# KiCad board uaefi.kicad_pcb (continued)
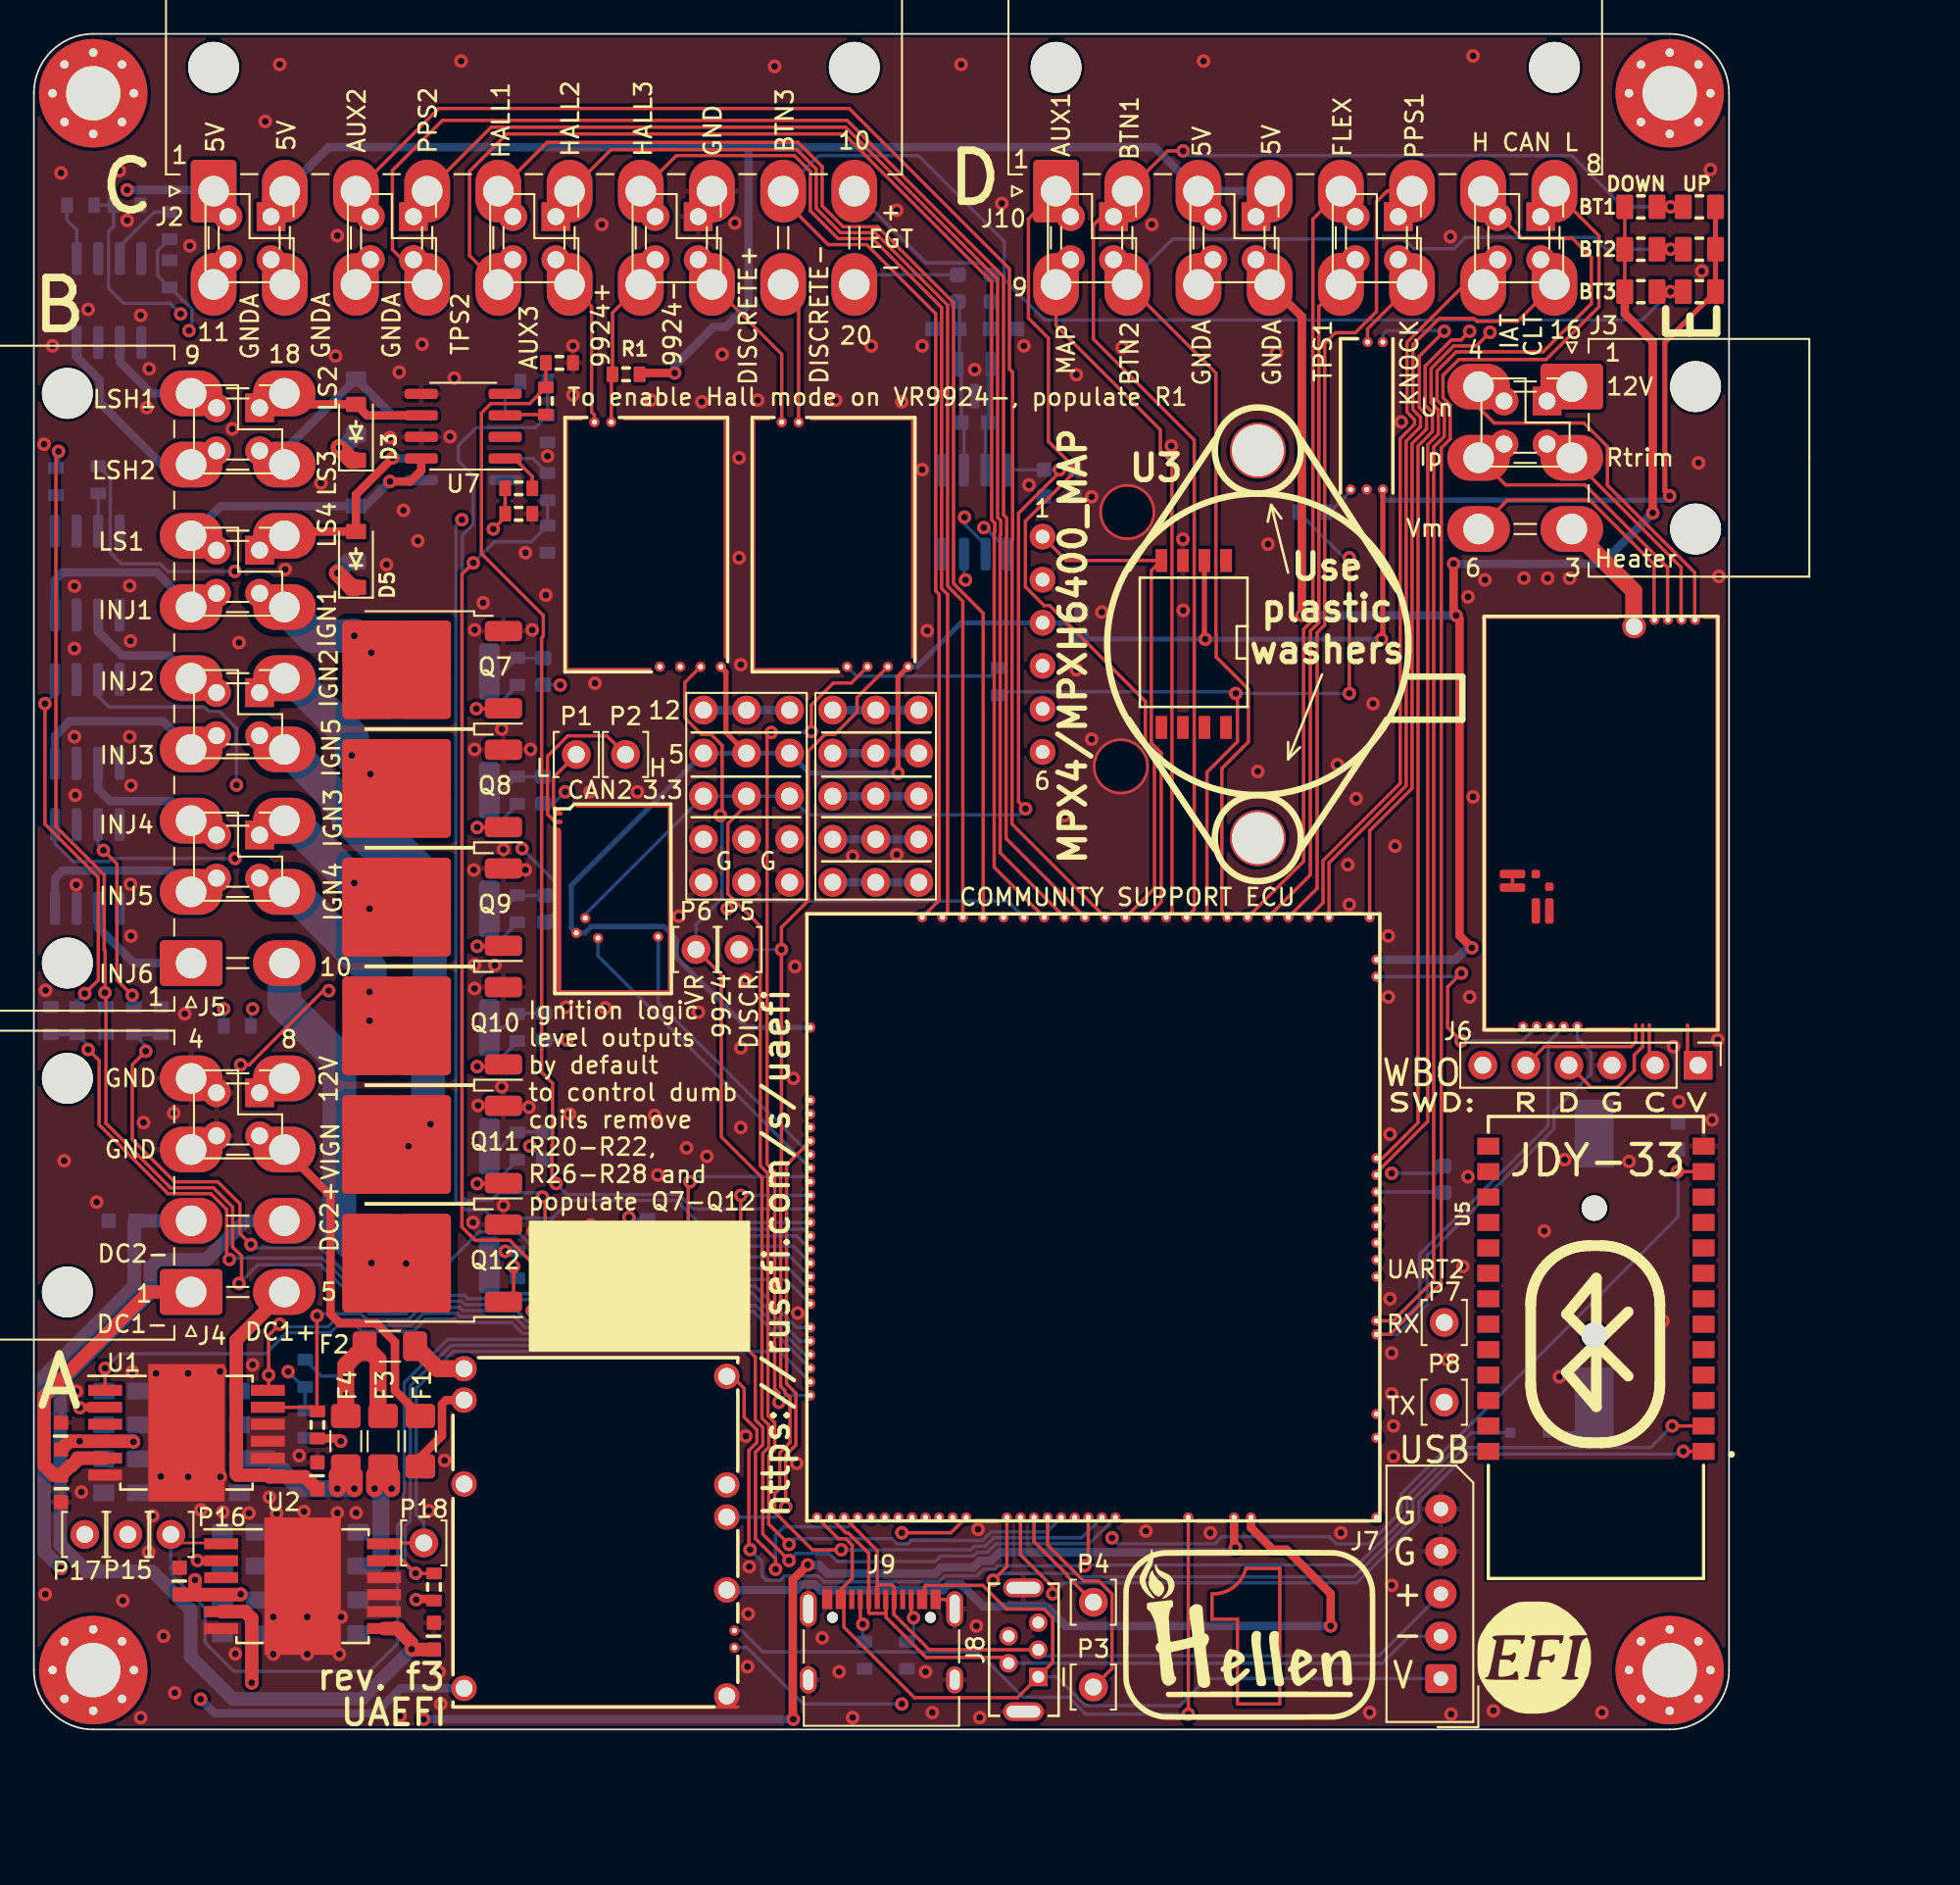
[diagram p0: board, top side]
## Routing (per net, layer and track width the routed paths; a pad name or vN(x,y) marks a point on that pad's centre or on a via; arc(x,y) is an arc through that point) (continued)
/LS_HOT2: length 139.6
  Top w0.2: M6.W3 79.57,33.7 81.65,35.78 81.65,75.7 82.5,76.55 82.5,77.68 82.31,77.87 82.31,77.88 82.07,78.11 82.07,80.41 83.62,81.95 84.18,81.95 v1(84.7,82.47)
  In2.Cu w0.2: v1(84.7,82.47) 83.92,83.25 82.09,83.25 81.94,83.1 9.48,83.1 9.1,83.48 v1(8.66,83.48)
  Bottom w0.2: R4.1 R15.1 4.7,88.65 4.4,88.35 4.4,85.01 5.3,84.11 8.03,84.11 v1(8.66,83.48)
/MISO3: length 104.7
  In2.Cu w0.2: v1(54.96,67.79) 55.95,66.8 68.2,66.8 82.75,52.25 82.75,29.15 81.12,27.53 81.12,13.62 77.56,10.05 70.63,10.05 70.03,10.65 55.83,10.65 54.2,12.28 M6.N11
  Bottom w0.2: v1(54.96,67.79) 54.86,67.89 U4.7
/OUT_DC1+: length 17.1
  Top w0.8: J4.5 11.94,22.97 11.94,15.06 12,15 U1.7 13.9,14.9 15.99,14.9 C13.2
/OUT_DC1-: length 19.6
  Top w0.8: U1.5 2.58,16 2.58,15.9 2.21,15.53 2.14,15.53 C12.2 1.2,14.99 0.6,15.59 0.6,19.64 6.76,25.8 J4.1
/OUT_DC2+: length 58.8
  Top w0.8: U2.7 21.52,5.95 ; 21.37,6 22.28,5.1 v1(22.28,4.73) 22.3,4.71 C26.2
  Bottom w0.8: J4.6 12.47,30 10.17,27.7 7.34,27.7 6.88,27.24 6.88,25.72 1.55,20.39 1.55,10.89 3.12,9.32 6.99,9.32 9.24,7.07 9.24,4.29 11.74,1.8 19.35,1.8 v1(22.28,4.73)
/OUT_DC2-: length 47.6
  Top w0.8: v1(12.85,2.75) 12.85,6.55 12.45,6.95 U2.5
  In2.Cu w0.8: v1(1.6,9.5) 7,9.5 10.88,5.62 10.88,3.37 11.45,2.8 12.8,2.8 v1(12.85,2.75)
  Bottom w0.8: J4.2 C25.2 5.92,29.93 5.92,26.17 0.6,20.85 0.6,10.5 v1(1.6,9.5)
/OUT_IGN1: length 7.8
  Bottom w2: R20.2 19.9,63.44 v1(19.9,63.5) v1(18.9,64.5) 16.47,64.5 J5.15
/OUT_IGN2: length 9.5
  Bottom w2: R21.2 20.8,55.4 v1(19.85,56.35) v1(18.75,57.45) 18.75,58.53 15.28,62 J5.14
/OUT_IGN3: length 8.7
  Bottom w2: R22.2 v1(19.8,48.4) 19.8,49.02 v1(18.9,49.92) 15.22,53.6 J5.12
/OUT_IGN4: length 11.3
  Bottom w2: R26.2 20.2,41.4 v1(19.8,41.8) v1(19.8,43.5) 19.8,44.88 15.28,49.4 J5.11
/OUT_IGN5: length 29.6
  Bottom w2: R27.2 v1(22.1,34.4) v1(23.4,35.7) 23.25,35.85 23.25,40.57 23.35,40.67 23.35,50.11 21.13,52.33 19.89,52.33 18.54,53.68 18.54,54.27 15.01,57.8 J5.13
/OUT_IGN6: length 21.9
  Bottom w2: J5.10 14.78,42.79 18.03,39.54 18.03,29.4 v1(19.91,27.51) 20.02,27.4 R28.2 21.88,27.4 v1(21.96,27.48)
/OUT_INJ1: length 11.1
  Bottom w0.5: J5.6 7.23,68.25 1.7,68.25 1.24,67.8 1.24,65.72
/OUT_INJ2: length 7.6
  Bottom w0.5: J5.5 7.94,63.34 5.2,63.34 3.78,64.75 3.78,65.72
/OUT_INJ3: length 10.7
  Bottom w0.5: J5.4 7.62,59.46 2.11,59.46 1.24,58.59 U10.8
/OUT_INJ4: length 7.8
  Bottom w0.5: J5.3 8.12,54.75 4.5,54.75 3.78,55.47 U10.6
/OUT_INJ5: length 10.5
  Bottom w0.5: 1.24,48.42 1.24,50.19 1.7,50.65 8.02,50.65 J5.2
/OUT_INJ6: length 7.5
  Bottom w0.5: J5.1 5.89,45.2 3.78,47.3 3.78,48.42
/OUT_LS1: length 15.9
  Top w0.5: U7.8 22.85,74.25 22.2,73.6 v1(21,73.6)
  Bottom w0.5: J5.7 11.02,72.15 D2.2 19.55,72.15 v1(21,73.6)
/OUT_LS2: length 8.6
  Top w0.5: J5.18 15.42,78.15 D3.2 19.65,77.5 U7.6
/OUT_LS3: length 11.5
  Bottom w0.5: J5.17 14.78,75.42 D4.2 21.15,77.5 U8.8
/OUT_LS4: length 11.3
  Top w0.5: J5.16 15.03,70.65 D5.2 19,72.83 v1(21.16,75)
  Bottom w0.5: U8.6 21.2,74.96 v1(21.16,75)
/OUT_LS_HOT1: length 6.1
  Bottom w0.5: J5.9 6.92,78.8 5.07,80.66 U6.6
/OUT_LS_HOT2: length 11
  Bottom w0.5: U6.8 2.53,80.95 3.88,79.59 3.88,78.27 7.55,74.6 J5.8
/PG_5VP: length 25.5
  Top w0.2: v1(51.2,11.6) 54.1,11.6 M6.N12
  In2.Cu w0.2: v1(51.2,11.6) v1(51.2,1.5)
  Bottom w0.2: M1.E6 42.07,4.83 45.4,1.5 v1(51.2,1.5)
/PWR_EN: length 40.4
  Top w0.2: M6.N20 v1(68.1,0.9)
  Bottom w0.2: M1.E5 41.75,5.83 43,4.58 55.69,4.58 58.37,1.9 61.05,1.9 62.05,0.9 v1(68.1,0.9)
/SCK3: length 107.3
  In2.Cu w0.2: v1(56.03,70.88) 58.1,68.82 59.92,68.82 61.44,67.3 68.19,67.3 83.1,52.39 83.1,28.89 81.47,27.27 81.47,13.47 77.7,9.7 70.4,9.7 69.8,10.3 55.6,10.3 M6.N10
  Bottom w0.2: U4.5 57.41,69.6 56.12,70.88 v1(56.03,70.88)
/USB+: length 43.9
  Top w0.2: M6.N3 49.75,10.55 J9.A6 49.75,8.44 49.84,8.53 50.61,8.53 50.75,8.4 J9.B6 50.75,7.25 50.72,7.22 50.72,6.79 52.82,4.7 J8.3
  Bottom w0.2: J8.3 59.6,4.35 79.35,4.35 J7.3
/USB-: length 44
  Top w0.2: M6.N2 47.91,11.59 48.04,11.59 49.25,10.38 J9.B7 49.25,6.9 49.3,6.84 50.2,6.84 50.25,6.9 J9.A7 50.25,7.25 50.28,7.22 50.28,6.61 52.63,4.25 57.15,4.25 J8.2
  Bottom w0.2: J8.2 79.54,3.9 81.14,5.5 J7.2
/VIGN: length 26.4
  Top w0.2: v1(44.35,13.13) 44.35,16.17 44.95,16.77 44.95,19.83 44.4,20.38 44.4,33.3 M6.E5
  Bottom w0.2: M1.E3 43.75,12.52 v1(44.35,13.13)
/VR_DISCRETE: length 76.9
  Top w0.2: v1(47.62,10.59) 45.92,10.59 43.7,12.82 43.7,13.91 44,14.21 44,16.31 44.6,16.91 44.6,19.57 44.3,19.87 44.3,19.98 44.05,20.23 44.05,33.44 44.1,33.49 44.1,47.3 45.68,48.88 45.68,57.7 46.66,58.68 47.24,58.68 48.56,60 48.56,60.86 M3.E3
  Bottom w0.15: P5.1 v1(44.1,46)
  Bottom w0.2: M6.N18 61.8,11.3 56.61,11.3 56.11,10.8 55.47,10.8 55.27,10.59 v1(47.62,10.59)
/VR_DISCRETE+: length 9.8
  Top w0.2: M3.W2 44.11,81.11 J2.18
/VR_DISCRETE-: length 8.5
  Top w0.2: J2.19 45.11,84.31 M3.W1
/VR_DISCRETE_A: length 9.3
  Bottom w0.2: M3.E2 48.53,62.12 56.42,62.12 R5.1
/VR_DISCRETE_THR: length 50.1
  Top w0.2: M3.E1 48.22,61.72 47.16,61.72 45.86,60.42 v1(45.86,58.85) ; v1(43.5,58.8) 43.25,58.55 43.25,33.34 43.7,32.89 43.7,20.09 43.95,19.84 v1(43.95,19.3)
  Bottom w0.2: M6.E23 44.35,19.7 v1(43.95,19.3) ; v1(43.5,58.8) 45.81,58.8 v1(45.86,58.85)
/VR_MAX9924: length 78.3
  Top w0.2: v1(40.5,53.9) 40.6,54 40.6,58.04 39.96,58.68 39.38,58.68 38.4,59.66 38.4,61.75 M4.E3 ; P6.1 40.55,44.51 40.55,34.95 42.95,32.55 42.95,18.36 43.35,17.96 43.35,16.64 43,16.29 43,11.51 v1(44.55,9.96)
  Bottom w0.2: P6.1 39.06,47.48 40.6,49.02 40.6,53.8 v1(40.5,53.9) ; M6.N19 62.25,10.95 56.76,10.95 56.26,10.45 55.62,10.45 55.39,10.23 53.5,10.23 53.17,9.9 47.4,9.9 46.93,10.37 44.96,10.37 v1(44.55,9.96)
/VR_MAX9924+: length 8.7
  Top w0.2: J2.16 32.9,83.92 32.9,77.69 33.06,77.52 M4.W2
/VR_MAX9924-: length 8.8
  Top w0.2: J2.17 34.13,83.56 R1.2 34.06,79.86 M4.W1
/VREF1: length 40.9
  Top w0.2: M6.S22 78.8,53.01 81.3,55.51 81.3,75.84 82.15,76.69 82.15,77.53 81.96,77.72 81.96,77.73 81.72,77.97 81.72,80.99 v1(83.2,82.47)
  Bottom w0.2: M2.W2 79.57,82.25 79.83,82.5 83.16,82.5 v1(83.2,82.47)
Net-(BT1-+): length 2.7
  Bottom w0.2: D1.2 92,17.5
Net-(F5-Pad1): length 3.2
  Bottom w0.2: 28.84,56.2 28.85,56.19 F5.1 ; R21.1 27.71,55.4 R18.2
Net-(F6-Pad1): length 3.2
  Bottom w0.15: 28.84,63.2 28.85,63.19 F6.1
  Bottom w0.2: R17.2 27.71,62.4 R20.1
Net-(F7-Pad1): length 3.6
  Bottom w0.2: F7.1 28.53,49.19 R19.2 27.71,48.4 R22.1
Net-(F8-Pad1): length 3.6
  Bottom w0.2: R26.1 27.71,41.4 R23.2 28.55,42.24 F8.1
Net-(F9-Pad1): length 3.5
  Bottom w0.2: F9.1 28.55,35.24 R24.2 ; R27.1 27.59,34.4 28.41,35.22
Net-(F10-Pad1): length 85.2
  In2.Cu w0.2: v1(27.8,28.2) 28.6,29 28.6,31.3 31.85,34.55 33.22,34.55 43.1,44.43 43.1,46.82 44.73,48.45 52.95,48.45 53.8,49.3 78.82,49.3 80.65,47.47 80.65,33.35 v1(80.1,32.8)
  Bottom w0.2: R25.2 v1(27.8,28.2) 27.66,28.2 R28.1 ; v1(80.1,32.8) 82.71,32.8 F10.1
Net-(G4-Pad1): length 5.1
  Bottom w0.5: G4.1 G4.11
Net-(G4-Pad10): length 5.1
  Bottom w0.5: G4.5 G4.15
Net-(G4-Pad12): length 5.1
  Bottom w0.5: G4.12 G4.2
Net-(G4-Pad13): length 5.1
  Bottom w0.5: G4.3 G4.13
Net-(G4-Pad14): length 5.1
  Bottom w0.5: G4.14 G4.4
Net-(J6-Pin_1): length 2.5
  Top w0.2: J6.1 97.55,39.8 M5.W8
Net-(J6-Pin_2): length 2.4
  Top w0.2: J6.2 95.3,39.51 M5.W7
Net-(J6-Pin_4): length 7.5
  Top w0.2: M5.W6 94.9,40.26 94.41,39.77 94.41,38.86 93.43,37.88 91.85,37.88 J6.4
Net-(J6-Pin_5): length 7.9
  Top w0.2: J6.5 89.12,40.28 94.22,40.28 94.5,40.55 M5.W5
Net-(J9-CC1): length 2.6
  Top w0.2: J9.A5 48.75,6.35 v1(48.9,6.2)
  Bottom w0.2: v1(48.9,6.2) 48.9,5.28 R7.2
Net-(J9-CC2): length 2.7
  Top w0.2: v1(51.89,6.59) 51.75,6.73 J9.B5
  Bottom w0.2: R8.2 51.89,5.57 v1(51.89,6.59)
Net-(M5-PULL_DOWN1): length 0.8
  Top w0.2: M5.J_GND1 M5.J1
Net-(M6-LED_GREEN): length 6.4
  Top w0.2: P4.1 60.95,9.05 60.95,9.13 59,11.08 M6.N14a
Net-(M6-LED_YELLOW): length 12.6
  Top w0.2: P3.1 63.6,3.6 63.6,7.98 62.83,8.75 61.93,8.75 59.8,10.88 M6.N14b
Net-(M6-SPI2_CS_/_CAN2_RX_(PB12)): length 16.6
  Bottom w0.2: M6.E6 36.82,42.88 M7.V6
Net-(M6-SPI2_SCK_/_CAN2_TX_(PB13)): length 18.8
  Bottom w0.2: M7.V5 33.27,45.63 M6.E7
Net-(M6-UART2_RX_(PD6)): length 66.3
  Top w0.2: M6.N14 58.2,10.31 60.1,8.41 v1(60.1,8) ; U5.1 v1(97.3,16.4)
  In2.Cu w0.2: P7.1 89.05,24 92.68,20.38 95.38,20.38 97.3,18.45 v1(97.3,16.4)
  Bottom w0.2: v1(97.3,16.4) 97.14,16.24 84.52,16.24 81.7,13.42 81.7,12.32 78.03,8.65 60.75,8.65 v1(60.1,8)
Net-(M6-UART2_TX_(PD5)): length 64.6
  Top w0.2: U5.2 v1(96.65,17.9) ; M6.N13 57.4,9.61 v1(56.59,8.8)
  In2.Cu w0.2: P8.1 95.25,19.3 v1(96.65,17.9)
  Bottom w0.2: v1(56.59,8.8) 56.99,9.2 61.52,9.2 61.72,9 77.89,9 81.35,12.46 81.35,13.57 84.41,16.62 95.37,16.62 v1(96.65,17.9)
Net-(M7-CANH): length 9.8
  Top w0.2: M7.S2 30.75,53.52 30.3,53.97 30.3,57.4 31.5,58.6 33.8,58.6 P2.1
Net-(M7-CANL): length 4.2
  Top w0.2: P1.1 30.65,56.15 30.65,54.45 30.95,54.15 M7.S1
Net-(Q7-G): length 4.6
  Top w0.2: Q7.1 27.68,60.2 v1(26.1,60.2)
  Bottom w0.2: R17.1 28.51,61.56 27.16,60.2 v1(26.1,60.2)
Net-(Q8-G): length 4.5
  Top w0.2: Q8.1 27.67,53.19 v1(26.15,53.19)
  Bottom w0.2: v1(26.15,53.19) 27.15,53.19 28.51,54.56 R18.1
Net-(Q9-G): length 4.5
  Top w0.2: v1(26.15,46.19) 27.67,46.19 Q9.1
  Bottom w0.2: v1(26.15,46.19) 27.15,46.19 28.51,47.56 R19.1
Net-(Q10-G): length 4.6
  Top w0.2: Q10.1 27.57,39.09 v1(26.15,39.09)
  Bottom w0.2: R23.1 28.51,40.56 27.05,39.09 v1(26.15,39.09)
Net-(Q11-G): length 4.5
  Top w0.2: v1(26.15,32.19) 27.67,32.19 Q11.1
  Bottom w0.2: R24.1 28.51,33.56 27.15,32.19 v1(26.15,32.19)
Net-(Q12-G): length 2.3
  Top w0.2: v1(28.3,27.3) 28.3,25.82 Q12.1
Net-(U4-T+): length 10.1
  Bottom w0.2: 56.14,74.28 56.14,76.93 C29.2 56.29,80.36 D8.2 56.45,82.55 C30.2 56.4,84.11 L1.2
Net-(U4-T-): length 10.1
  Bottom w0.2: L2.2 54.59,84.12 C28.2 54.59,80.56 D8.1 54.71,80.36 C29.1 54.86,76.93 54.86,74.28
Net-(U6-IN1): length 3.4
  Bottom w0.2: U6.1 2.53,88.45 1.95,89.03 R4.2
Net-(U6-IN2): length 4.5
  Bottom w0.2: R41.2 7.11,89.5 5.07,87.46 U6.3
Net-(U7-IN1): length 2.7
  Top w0.2: R48.2 29.4,73.9 28.34,74.96 U7.1
Net-(U7-IN2): length 2.4
  Top w0.2: R49.2 27.85,77.55 U7.3
Net-(U8-IN1): length 2.4
  Bottom w0.2: R50.2 27.8,78.6 U8.1
Net-(U8-IN2): length 2.9
  Bottom w0.2: U8.3 29.44,74.96 R51.2
Net-(U9-IN1): length 2.1
  Bottom w0.2: U9.1 1.3,70.73 R42.2
Net-(U9-IN2): length 2.2
  Bottom w0.2: R43.2 3.8,70.69 U9.3
Net-(U10-IN1): length 21.4
  Top w0.2: v1(3,43.4) 3.8,44.2 3.8,50.25 0.65,53.4 v1(0.65,60.5)
  Bottom w0.2: R44.2 2.55,42.95 v1(3,43.4) ; v1(0.65,60.5) 1.24,61.09 U10.1
Net-(U10-IN2): length 70.4
  In2.Cu w0.2: v1(35.1,30.2) 35.7,30.2 38.01,27.89 38.01,26.94 37.63,26.56 37.09,26.56 36.71,26.94 36.71,26.97 35.83,27.85 30.64,27.85 28.84,26.05 26.51,26.05 21.05,31.51 21.05,37.35 16.25,42.15 16.25,43.84 16.88,44.47 16.88,54.26 15.44,55.7 v1(11.95,55.7)
  Bottom w0.2: U10.3 3.78,60.95 4.44,60.3 10.07,60.3 10.32,60.05 10.95,60.05 11.95,59.05 v1(11.95,55.7) ; v1(35.1,30.2) 35.2,30.1 R45.2
Net-(U11-IN1): length 22.4
  In2.Cu w0.2: v1(11.86,51.37) 11.88,51.36 11.88,43.17 v1(11.2,42.5)
  Bottom w0.2: U11.1 1.24,52.25 2.31,51.19 4.42,51.19 4.61,51.37 v1(11.86,51.37) ; v1(11.2,42.5) R46.2
Net-(U11-IN2): length 11.7
  Top w0.2: v1(5.8,43.3) 4.9,44.2 4.9,51.05 v1(4.1,51.85)
  Bottom w0.2: U11.3 3.78,52.17 v1(4.1,51.85) ; R47.2 5.9,43.2 v1(5.8,43.3)

## Copper pours and planes (outline as drawn; the poured copper is in the pictures)
GND on Top, Bottom, In1.Cu, In2.Cu: 0,100 100,100 100,0 0,0
/DC Driver 1/PWR on Bottom: 1.88,18.46 12.6,18.46 12.6,15.46 12.5,15.36 1.88,15.36
/DC Driver 2/PWR on Bottom: 8.85,8.87 10.91,10.32 19.87,10.3 19.87,7.84 19.22,7.2 8.85,7.2

## Text on the board
B.Silkscreen: COMMUNITY SUPPORT ECU | GND | DC2- | 4 | 1 | INJ5 | LSH1 | LSH2 | LS1 | INJ2 | INJ4 | INJ1 | DC1- | INJ3 | 11 | INJ6 | 9 | DC1+ | 18 | DC2+ | 8 | 5 | IGN1 | IGN6 | VIGN | IGN5 | 12V | 10 | IGN4 | IGN3 | IGN2 | 3.3 | 12 | G | 20 | + / EGT / - | 6 | Vm | Ip | Un | L CAN H | 16 | 3 | Heater | Rtrim | 5V | GNDA | LS2 | LS4 | LS3 | AUX2 | PPS2 | TPS2 | HALL1 | AUX3 | HALL2 | 9924+ | HALL3 | 9924- | DISCRETE+ | BTN3 | DISCRETE- | AUX1 | MAP | BTN1 | BTN2 | TPS1 | FLEX | KNOCK | PPS1 | IAT | CLT | Always looking for C/C++/PHP/Java developers / https://rusefi.com/s/mission | A | B | C | D | E
F.Silkscreen: BT1 | BT2 | BT3 | DOWN | UP | UART2 / RX / TX | Ignition logic / level outputs / by default / to control dumb / coils remove / R20-R22, / R26-R28 and / populate Q7-Q12 | To enable Hall mode on VR9924-, populate R1 | COMMUNITY SUPPORT ECU | LS1 | LSH2 | LSH1 | INJ1 | INJ4 | INJ5 | INJ6 | INJ2 | INJ3 | GND | DC1- | DC2- | 1 | 9 | 4 | 11 | DC1+ | 18 | 8 | 5 | 10 | L | CAN2 | H | 3.3 | 12 | G | 20 | + / EGT / - | Vm | Ip | Un | 6 | H CAN L | 16 | 3 | 12V | Heater | Rtrim | 5V | GNDA | LS3 | LS4 | IGN1 | LS2 | IGN2 | DC2+ | VIGN | IGN5 | IGN3 | IGN4 | AUX2 | PPS2 | TPS2 | HALL1 | AUX3 | HALL2 | 9924+ | HALL3 | 9924- | DISCRETE+ | BTN3 | DISCRETE- | AUX1 | MAP | BTN1 | BTN2 | TPS1 | FLEX | KNOCK | PPS1 | IAT | CLT | VR / 9924 / DISCR | G / G / + / - / V | USB | SWD:  R D G C V | WBO | rev. f3 | UAEFI | https://rusefi.com/s/uaefi | B | A | C | D | E
